# Altium PCB PortiloopV2Altium_PCB.PcbDoc (continued)
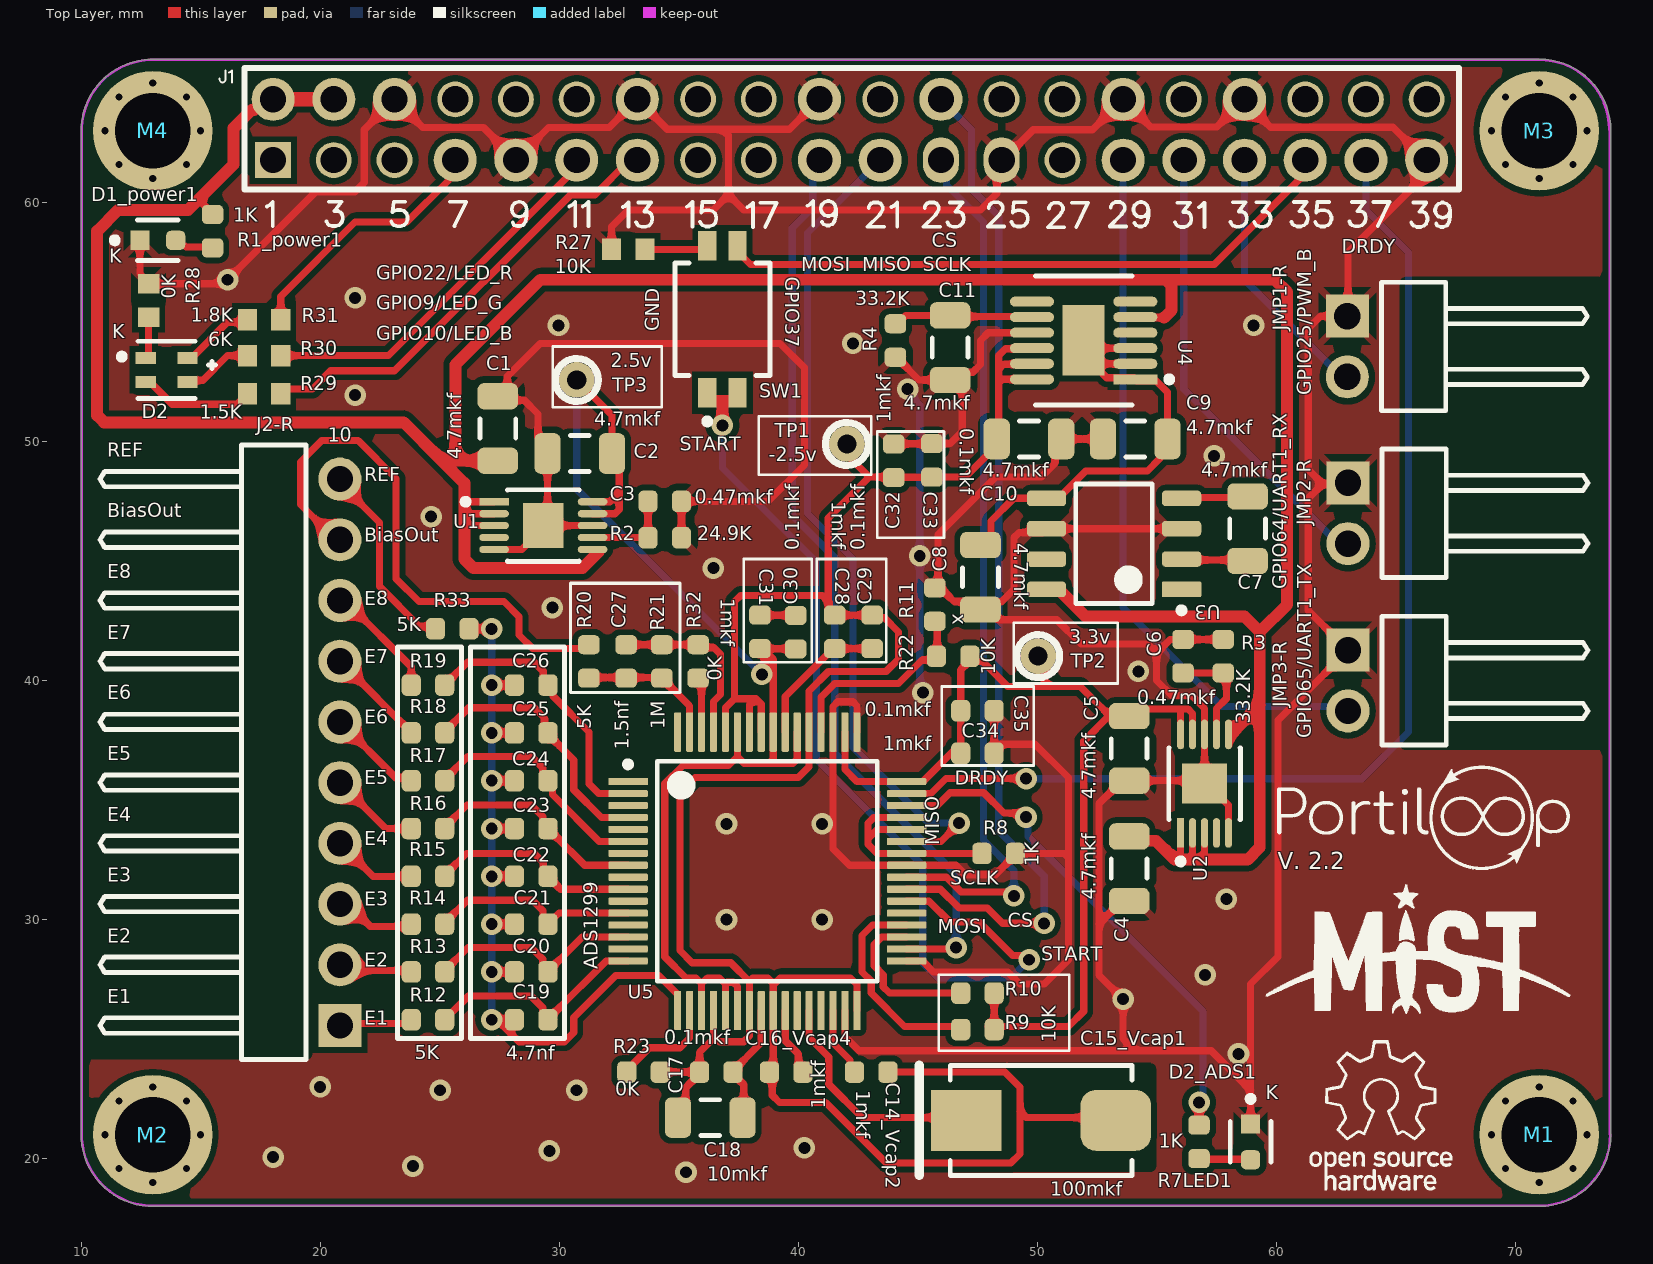
[diagram p0: Top Layer view]
## Part data (continued)
SW1: library part CMP-08827-000068-1, "SWITCH SLIDE DIP SPST 25MA 24V", Case/Package=DIP, Contact Current Rating=25mA, Contact Resistance=200mR, Max Operating Temperature=70°C, Max Voltage Rating (DC)=24V, Min Operating Temperature=-20°C, Package Quantity=75, Actuator Length=0mm, Actuator Type="Slide (Standard)", Current Rating=25mA, Electrical Life=1000Cycles, Height=1.55mm, Length=0.148inch, Max Current Rating=25mA, Mechanical Life=1000Cycles, Mount="Surface Mount", Number of Circuits=2, Number of Poles=8, Number of Positions=2, Orientation=Straight, Packaging=Rail/Tube, Pitch=0.05inch, RoHS Compliant=Yes, Series=A6H, Terminal Pitch=1.27mm, Termination="Gull Wing", Throw Configuration=SPST, Voltage Rating (DC)=24V, Washable=Yes, Weight=0.06g, Width=4.5mm
TP1 TP2 TP3: library part "Test Point", "Test Point"
U1 U2: library part CMP-09138-000246-1, "IC REG LIN POS ADJ 200MA 10MSOP", Case/Package=MSOP, Dropout Voltage=350mV, Max Input Voltage=20V, Max Operating Temperature=125°C, Max Output Voltage=15V, Min Current Limit=220mA, Min Input Voltage=1.8V, Min Operating Temperature=-40°C, Min Output Voltage=0V, Output Current=200mA, Mount="Surface Mount", Number of Pins=10, Number of Regulators=1, Output Type=Adjustable, Output Voltage=15V, Packaging=Rail/Tube, REACH SVHC="No SVHC", RoHS Compliant=Yes, Series=-
U3: library part CMP-0065-00025-3, "Switched Capacitor Voltage Converter, 8-pin Narrow SOIC, Pb-Free", Manufacturer="Texas Instruments", PackageTopMarking=NSZXTT*LM26*62M, PowerWise=N, Code_IPC=SOIC127P600-8, Code_JEDEC=MS-012-AA, ComponentLink1Description="Datasheet URL", ComponentLink1URL=http://www.ti.com/general/docs/lit/getliterature.tsp?genericPartNumber=LM2662&fileType=pdf, CompType="Switch Caps", PackageDescription="SOIC Narrow, 4.9 x 3.9 x 1.45mm, 8 Lead, 1.27mm Pitch", PackageReference=D0008A, PinCount=8, RoHS=Y
U4: library part CMP-09138-000085-1, "IC REG LIN NEG ADJ 500MA 12MSOP", RoHS Compliant=Yes
U5: library part CMP-0841-00002-2, "Low-Noise, 8-Channel, 24-Bit Analog Front-End for Biopotential Measurement, 16 KSPS, -40 to 85 degC, 64-Pin PQFP (PAG-64), RoHS, Tube", Manufacturer="Texas Instruments", Operating Temperature Range (C)="-40 to 85", PartNumber=ADS1299IPAG, # Input Channels=8, Architecture=Delta-Sigma, ComponentLink1Description="Manufacturer URL", ComponentLink1URL=http://www.ti.com/, ComponentLink2Description=Datasheet, ComponentLink2URL=http://www.ti.com/lit/ds/symlink/ads1299.pdf, ComponentLink3Description="Package Specification", ComponentLink3URL=http://www.ti.com/lit/ml/mtqf006a/mtqf006a.pdf, DatasheetVersion=SBAS499A, Interface="Serial SPI", Mounting Technology="Surface Mount", PackageDescription="64-Pin Plastic Quad Flatpack, Body 10 x 10 mm, Pitch 0.5 mm", PackageReference=PAG-64, PackageVersion=4040282/C, Packing=PAG0064A, Reference Mode="Int, Ext", Resolution (Bits)=24, RoHS=TRUE, Sample Rate (max) (KSPS)=16

## Via types
v1: diameter 0.9, hole 0.5, Top Layer to Bottom Layer, 49 vias

## Nets (pads, with @x,y where several pads share a name; then routed paths per layer and width w, separated by ;. In a path a pad name is that pad's centre, name@x,y a point inside that pad or via, vN(x,y) a via of type N, cw(c..) or ccw(c..) an arc to the next point about the centre after c; other vN are vias at no path point)
+2V5: C2.2 C30.2 C31.2 TP3.1 U1.9 U1.10 U5.19 U5.21 U5.22 U5.54 U5.56 U5.59 | length 54.5
  Top Layer w0.3: TP3.1@30.647,52.491 TP3.1 32.211,51.101 32.211,49.403 32.512,49.102 32.512,47.879 ; U1.9 32.336,46.982 32.512,47.158 32.512,47.879 ; U1.10 32.115,47.482 32.512,47.879 ; U5.19 35.957,27.321 ; U5.21 36.957,26.93 36.957,27.305 ; U5.22 37.457,27.205 37.281,27.381 37.033,27.381 36.957,27.305 ; U5.59 37.457,36.816 ; v1(38.481,40.259) 38.481,40.421 38.608,40.548 38.608,41.21 38.481,41.337 38.504,41.337 C31.2@38.509,41.332 ; C30.2@39.846,41.329 39.849,41.332 38.608,41.332 C31.2@38.509,41.332 ; U5.54 39.957,36.714 39.781,36.538 38.781,36.538 ; 35.957,27.321 35.719,27.559 35.306,27.559 34.417,28.448 34.417,35.687 35.179,36.449 37.09,36.449 37.457,36.816 ; 35.957,27.321 36.199,27.563 36.699,27.563 36.957,27.305 ; 37.457,36.816 37.735,36.538 38.781,36.538 ; C31.2@38.509,41.332 38.619,41.221 38.957,40.884 U5.56 38.957,36.714 38.781,36.538
  Bottom Layer w0.3: TP3.1 30.734,48.006 v1(38.481,40.259)
+3.3V: C5.2 C34.2 C35.2 R9.1 R10.1 R22.1 TP2.1 U2.9 U2.10 U5.48 U5.50 | length 43.5
  Top Layer w0.3: U5.50 41.957,36.275 42.461,35.771 U5.48 45.207,35.771 46.505,37.069 46.552,37.069 46.798,37.315 C35.2 46.798,40.448 46.963,40.613 46.963,40.752 R22.1@47.182,40.971 ; R22.1 47.409,40.794 47.725,40.794 48.768,39.751 50.546,39.751 ; R9.1@47.944,25.527 48.2,25.527 51.308,25.527 51.943,26.162 51.943,37.465 52.992,38.514 C5.2 54.151,38.817 56.308,38.817 56.5,38.625 U2.9 ; R9.1 R10.1 ; TP2.1 50.268,40.791 50.268,40.029 50.546,39.751 ; C5.2@53.04,38.514 51.803,39.751 50.546,39.751 ; U2.10 56,38.679
+5V: C1.2 C4.2 J1-B-.2 J1-B-.4 R1_power1.2 U1.1 U1.2 U1.3 U1.6 U2.1 U2.2 U2.3 U2.6 U3.8 U4.5 | length 142.3
  Top Layer w0.3: 14.097,59.69 14.224,59.69 ; 15.113,60.325 15.113,59.926 15.231,59.808 15.231,59.746 15.349,59.628 R1_power1.2@15.367,59.628 ; 15.367,60.579 15.43,60.642 ; J1-B-.2@17.957,64.389 J1-B-.2 ; 26.035,46.736 26.289,46.482 U1.3 ; 26.035,47.244 26.297,46.982 U1.2 ; 26.035,47.671 26.224,47.482 U1.1 ; U3.8 U3.8@50.888,43.815 ; C4.2 C4.2@54.103,33.481 ; U4.5 54.126,55.181 55.309,55.181 ; 55.753,32.512 56,32.759 U2.1 ; 56.294,32.489 56.294,32.512 56.294,32.545 56.5,32.751 U2.2 ; 56.723,32.512 57,32.789 U2.3 ; U2.6 U2.6@58.1,37.747
  Top Layer w0.5: 14.097,59.69 11.557,59.69 10.668,58.801 10.668,51.093 10.961,50.8 23.495,50.8 25.099,49.196 ; 14.224,59.69 14.478,59.69 15.113,60.325 15.367,60.579 ; 15.43,60.642 16.383,61.595 16.383,63.119 17.139,63.875 17.239,63.875 17.754,64.389 J1-B-.2@17.957,64.389 ; C1.2 25.654,49.196 ; U1.6@31.65,45.382 30.972,44.704 26.416,44.704 26.035,45.085 26.035,46.736 26.035,47.244 26.035,47.671 26.035,48.26 25.099,49.196 ; U3.8@50.888,43.815 52.031,42.672 58.674,42.672 59.309,42.037 ; C4.2@54.103,33.481 54.285,33.299 54.966,33.299 55.753,32.512 56.294,32.512 56.723,32.512 58.801,32.512 59.309,33.02 59.309,38.989 ; 55.309,55.181 55.626,55.498 55.626,56.515 55.372,56.769 ; U2.6@58.1,37.747 58.1,37.78 59.309,38.989 ; 25.099,49.196 25.654,49.196 ; 25.654,49.196 25.654,53.213 29.21,56.769 55.372,56.769 ; 55.372,56.769 59.944,56.769 60.452,56.261 60.452,43.18 59.309,42.037 ; 59.309,38.989 59.309,42.037
  Top Layer w0.6: J1-B-.2 J1-B-.4
-2V5: C10.2 C14_Vcap2.1 C15_Vcap1.2 C16_Vcap4.1 C17.2 C18.1 C28.1 C29.1 C32.2 C33.2 R23.2 TP1.1 U4.10 U4.11 U4.12 U5.20 U5.23 U5.25 U5.32 U5.53 U5.57 U5.58 U5.60 | length 110
  Top Layer w0.3: R23.2 C17.2 ; C18.1 35.295,22.04 35.295,22.964 35.876,23.545 C17.2 ; U5.20 36.457,25.138 ; U5.60 36.957,38.862 37.338,39.243 ; U5.58 37.957,39.005 37.989,39.005 38.227,39.243 ; U5.57 38.457,39.013 38.227,39.243 ; TP1.1@42.037,49.53 42.291,49.276 42.21,49.276 42.972,48.514 ; U5.32 42.457,27.289 42.187,27.559 39.243,27.559 39.021,27.337 38.957,27.337 ; C14_Vcap2.1 48.641,23.622 49.276,22.987 49.276,21.971 ; U4.12 48.54,52.604 48.387,52.451 ; U4.11 49.758,53.229 48.594,53.229 48.387,53.023 ; U4.10 49.758,53.879 48.672,53.879 48.387,53.594 48.387,53.023 ; C15_Vcap1.2@53.29,21.717 49.53,21.717 49.276,21.971 ; C17.2 35.876,24.446 36.457,25.027 36.457,25.138 ; 36.457,25.138 36.703,24.892 37.719,24.892 37.957,25.13 U5.23 37.957,27.416 ; 37.338,39.243 37.338,43.307 37.592,43.561 41.021,43.561 41.26,43.322 ; 37.338,39.243 38.227,39.243 ; 37.957,27.416 38.1,27.559 38.735,27.559 38.957,27.337 ; 37.957,27.416 37.179,28.194 35.56,28.194 35.052,28.702 35.052,35.306 35.687,35.941 40.005,35.941 40.457,36.393 U5.53 40.457,39.568 41.275,40.386 43.688,40.386 44.196,40.894 44.196,42.037 43.596,42.637 43.026,42.637 42.926,42.737 C28.1 ; 38.957,27.337 U5.25 38.957,23.782 C16_Vcap4.1 38.913,23.506 38.913,22.655 39.215,22.352 41.148,22.352 43.688,19.812 48.895,19.812 49.276,20.193 49.276,21.971 ; 41.26,43.322 41.26,42.983 41.506,42.737 C28.1 ; 41.26,43.322 41.26,46.802 42.972,48.514 ; 41.26,43.322 41.302,43.28 41.302,42.964 C28.1 ; 42.972,48.514 44.159,48.514 44.178,48.495 44.188,48.504 45.583,48.504 C33.2 46.99,48.514 48.306,49.83 C10.2 48.387,50.19 48.387,52.451 ; 48.387,52.451 48.387,53.023
-5V: C8.2 C9.2 U3.5 U4.1 U4.2 U4.3 U4.13 | length 22.9
  Top Layer w0.3: C8.2 47.68,45.673 48.07,46.063 48.07,46.673 49.022,47.625 U3.5 50.888,47.625 52.031,48.768 54.61,48.768 55.128,49.286 55.128,49.786 C9.2 55.451,52.063 54.97,52.544 54.163,52.544 54.038,52.669 52.906,52.669 U4.13@52.482,53.093 ; U4.13@52.67,52.905 U4.13@52.482,53.093 ; U4.2 52.67,53.254 U4.13@52.482,53.442 ; U4.3 U4.13@52.268,53.904 ; U4.13@51.943,53.981 U4.13@52.482,53.442 ; U4.13@51.943,53.981 U4.13 U4.13@52.268,53.904 ; U4.13@51.943,53.981 51.943,53.632 U4.13@52.482,53.093 ; U4.13@52.268,53.904 52.268,53.656 U4.13@52.482,53.442 ; U4.13@52.482,53.093 U4.13@52.482,53.442
BiasOut: J2-R.9 R20.1 | length 23.1
  Top Layer w0.3: J2-R.9@20.828,45.72 19.177,47.371 19.177,49.149 20.066,50.038 21.59,50.038 23.179,48.449 23.179,44.258 24.13,43.307 27.686,43.307 28.321,42.672 28.321,41.91 28.891,41.34 R20.1@31.242,41.34
CS: J1-B-.24 U5.39 | length 42.6
  Top Layer w0.3: U5.39 45.945,31.271 46.736,30.48 47.911,30.48 48.546,29.845 v1(50.292,29.845)
  Bottom Layer w0.3: J1-B-.24 47.244,63.042 47.244,60.579 48.387,59.436 48.387,33.719 50.292,31.814 v1(50.292,29.845)
DRDY: J1-B-.37 U5.47 | length 46.7
  Top Layer w0.3: U5.47 45.558,35.271 46.188,35.901 v1(49.536,35.901)
  Bottom Layer w0.3: v1(49.536,35.901) 49.548,35.889 63.575,35.889 65.532,37.846 65.532,57.912 63.752,59.692 J1-B-.37
E1: J2-R.1 R12.1 | length 3.2
  Top Layer w0.3: J2-R.1@20.828,25.4 21.082,25.654 23.655,25.654 R12.1
E2: J2-R.2 R13.1 | length 3
  Top Layer w0.3: J2-R.2@20.828,27.94 20.893,27.875 23.746,27.875 R13.1
E3: J2-R.3 R14.1 | length 3.3
  Top Layer w0.3: J2-R.3@20.828,30.48 21.336,30.48 22.098,29.718 23.719,29.718 R14.1
E4: J2-R.4 R15.1 | length 3.6
  Top Layer w0.3: J2-R.4 22.208,31.81 R15.1
E5: J2-R.5 R16.1 | length 3.8
  Top Layer w0.3: J2-R.5 22.748,33.81 R16.1
E6: J2-R.6 R17.1 | length 4
  Top Layer w0.3: J2-R.6 23.165,35.933 23.688,35.933 R17.1
E7: J2-R.7 R18.1 | length 4.2
  Top Layer w0.3: J2-R.7@20.828,40.64 21.004,40.64 23.811,37.833 R18.1
E8: J2-R.8 R19.1 | length 4.8
  Top Layer w0.3: J2-R.8@20.828,43.18 21.209,43.18 23.811,40.578 R19.1
GND: C1.1 C2.1 C3.1 C4.1 C5.1 C6.2 C8.1 C9.1 C10.1 C11.1 C32.1 C33.1 C34.1 C35.1 D1_power1.1 D2_ADS1.1 J1-B-.6 J1-B-.9 J1-B-.14 J1-B-.20 J1-B-.25 J1-B-.30 J1-B-.34 J1-B-.39 JMP1-R.1 JMP2-R.1 JMP3-R.1 R2.2 R3.2 R4.2 R8.2 R11.1 R27.1 R28.1 U1.5 U1.8 U1.11 U2.5 U2.8 U2.11 U3.3 U3.6 U4.9 U5.31 U5.33 U5.41 U5.49 U5.51 | length 310.5
  Top Layer w0.3: D1_power1.1 12.458,57.026 12.522,56.962 12.522,56.85 12.772,56.6 15.96,56.6 19.812,60.452 21.463,60.452 21.844,60.833 21.844,63.047 J1-B-.6 24.282,63.145 26.822,63.145 J1-B-.9 29.554,63.138 32.094,63.138 J1-B-.14 34.521,63.065 36.83,63.065 ; U1.5 28.437,45.482 29.337,46.382 U1.11 ; C1.1 C1.1@27.438,51.896 ; U1.8 U1.11 ; R27.1 32.193,58.99 32.893,59.69 36.449,59.69 37.084,60.325 ; R2.2 C3.1 38.735,47.498 40.259,49.022 40.259,53.086 39.243,54.102 29.21,54.102 27.828,52.72 27.828,52.286 C1.1@27.438,51.896 ; J1-B-.20 39.642,63.065 36.83,63.065 ; U5.31 41.957,25.099 42.545,24.511 54.102,24.511 ; U5.49 42.457,38.94 42.281,39.116 41.656,39.116 41.457,38.917 U5.51 41.457,32.965 42.151,32.271 U5.41 46.596,32.271 46.99,31.877 48.248,31.877 R8.2@49.087,32.716 ; R4.2 44.104,53.529 45.055,52.578 C11.1 C11.1@46.093,52.84 ; C32.1@44.178,49.895 44.188,49.904 45.583,49.904 C33.1 46.358,49.914 46.862,50.418 C11.1@46.862,52.188 ; U5.33 45.207,28.271 45.665,27.813 48.768,27.813 49.276,27.305 50.292,27.305 51.308,28.321 51.308,32.59 ; C11.1@46.862,52.696 46.862,52.718 47.045,52.901 47.299,52.901 47.625,53.227 47.625,54.229 47.95,54.554 U4.9 ; C8.1@47.505,42.853 47.05,43.307 46.517,43.307 46.071,43.753 45.847,43.753 45.847,46.101 48.26,48.514 50.165,48.514 50.745,49.094 50.745,49.848 C10.1 C9.1 ; C8.1 C8.1@47.993,42.973 ; C35.1 48.198,37.338 49.53,37.338 49.911,37.338 51.308,35.941 51.308,32.59 ; R8.2 51.132,32.766 51.308,32.59 ; C4.1 53.548,30.781 52.578,29.811 ; U3.3 U3.6 50.221,46.188 49.236,46.188 49.022,45.974 49.022,43.815 48.503,43.296 48.315,43.296 C8.1@47.993,42.973 ; U2.11@56.869,35.687 56.769,35.687 56.642,35.814 C5.1 53.548,35.814 52.578,34.844 52.578,29.811 ; R3.2 C6.2 55.564,41.721 54.991,41.148 ; U2.5 58,34.787 57.1,35.687 U2.11 U2.8 57,38.832 56.462,39.37 55.626,39.37 54.991,40.005 54.991,41.148 ; D2_ADS1.1 58.928,22.86 ; JMP2-R.1 62.955,48.225 61.941,48.225 ; C1.1@27.438,51.896 27.607,51.726 28.538,51.726 29.111,51.153 29.111,50.171 29.511,49.771 29.511,46.656 U1.11 ; 36.83,63.065 37.084,62.811 37.084,60.325 ; 37.084,60.325 37.719,59.69 47.625,59.69 48.31,60.375 48.31,61.573 J1-B-.25 48.567,61.775 49.833,63.041 52.318,63.041 J1-B-.30 54.75,63.156 57.513,63.156 J1-B-.34 58.672,64.235 59.761,63.145 64.888,63.145 66.258,61.775 J1-B-.39 66.004,61.488 66.004,60.924 63,57.92 63,55.27 JMP1-R.1 61.849,55.245 61.341,54.737 61.341,48.824 61.941,48.225 ; C8.1@47.993,42.973 48.086,42.879 48.421,42.545 50.816,42.545 51.832,41.529 54.61,41.529 54.991,41.148 ; 52.578,29.811 52.578,27.686 v1(53.594,26.67) 53.594,25.019 54.102,24.511 ; 54.102,24.511 57.277,24.511 58.928,22.86 ; 58.928,22.86 58.928,27.305 60.071,28.448 60.071,38.341 JMP3-R.1 61.341,42.929 61.341,47.625 61.941,48.225
  Bottom Layer w0.3: v1(44.577,52.197) 44.577,52.035 45.085,51.527 v1(45.085,45.212) 45.085,39.624 v1(45.212,39.497)
  other v1: 35.306,19.431 23.876,19.685 18.034,20.066 29.591,20.32 40.259,20.447 25.019,22.86 30.734,22.86 20,23 58.42,24.384 57.023,27.686 37,30 41,30 57.912,30.861 37,34 41,34 54.229,40.386 29.718,43.053 36.449,44.704 24.638,46.863 57.404,49.403 21.463,51.943 42.291,54.102 29.972,54.864 59.055,54.864 21.463,56.007 16.129,56.769
GPIO9/LED_G: J1-B-.11 R30.2 | length 15.9
  Top Layer w0.3: R30.2 22.86,53.594 30.732,61.466 J1-B-.11
GPIO10/LED_B: J1-B-.13 R29.2 | length 18.9
  Top Layer w0.3: R29.2@18.353,52.197 19.685,52.197 20.447,52.959 23.114,52.959 30.48,60.325 31.496,60.325 32.946,61.775 J1-B-.13
GPIO22/LED_R: J1-B-.7 R31.2 | length 11.1
  Top Layer w0.3: R31.2@18.353,54.991 18.353,56.072 21.463,59.182 23.622,59.182 25.364,60.924 25.364,61.488 J1-B-.7
GPIO25/PWM_B: J1-B-.33 JMP1-R.2 | length 11
  Bottom Layer w0.3: J1-B-.33 58.672,56.771 62.713,52.73 JMP1-R.2@63,52.73
GPIO37: J1-B-.35 SW1.3 | length 26.4
  Top Layer w0.3: SW1.3 37.465,57.948 38.009,57.404 48.768,57.404 48.771,57.407 49.019,57.407 49.022,57.404 57.404,57.404 60.982,60.982 60.982,61.545 J1-B-.35
GPIO64/UART1_RX: J1-B-.31 JMP2-R.2 | length 19.1
  Bottom Layer w0.3: J1-B-.31 56.132,52.199 62.227,46.104 62.283,46.104 62.656,45.73 JMP2-R.2
GPIO65/UART1_TX: J1-B-.29 JMP3-R.2 | length 29.9
  Bottom Layer w0.3: J1-B-.29 53.592,43.055 57.726,38.921 62.809,38.921 JMP3-R.2
MISO: J1-B-.21 U5.43 | length 34.9
  Top Layer w0.3: U5.43 45.971,33.271 v1(46.736,34.036)
  Bottom Layer w0.3: J1-B-.21 40.386,58.729 40.386,46.99 42.291,45.085 42.291,37.211 45.466,34.036 v1(46.736,34.036)
MOSI: J1-B-.19 U5.34 | length 38.4
  Top Layer w0.3: U5.34 46.551,28.771 v1(46.609,28.829)
  Bottom Layer w0.3: J1-B-.19 40.609,61.493 40.609,59.786 39.751,58.928 39.751,46.918 41.529,45.14 41.529,36.957 46.609,31.877 v1(46.609,28.829)
NetC3_2: C3.2 R2.1 U1.7 | length 3.8
  Top Layer w0.3: U1.7 33.709,45.982 R2.1 C3.2
NetC6_1: C6.1 R3.1 U2.7 | length 4.5
  Top Layer w0.3: C6.1 R3.1 57.912,40.194 57.912,39.243 57.5,38.831 U2.7
NetC7_1: C7.1 U3.4 | length 3.8
  Top Layer w0.3: U3.4 56.078,47.665 58.761,47.665 C7.1 ; C7.1@58.568,47.472 58.42,47.324 C7.1@59.182,47.324
NetC7_2: C7.2 U3.2 | length 2.8
  Top Layer w0.3: U3.2 56.078,45.045 58.761,45.045 C7.2
NetC11_2: C11.2 R4.1 U4.8 | length 5.5
  Top Layer w0.3: R4.1 44.146,54.929 44.495,55.278 C11.2 ; C11.2@46.862,55.396 47.031,55.227 49.76,55.227 U4.8 U4.8@49.76,55.181
NetC14_Vcap2_2: C14_Vcap2.2 U5.30 | length 2.9
  Top Layer w0.3: U5.30 41.457,24.837 42.164,24.13 42.164,23.811 C14_Vcap2.2
NetC15_Vcap1_1: C15_Vcap1.1 U5.28 | length 9.8
  Top Layer w0.3: U5.28 40.457,25.075 41.275,24.257 41.275,23.114 42.672,21.717 C15_Vcap1.1@47.04,21.717
NetC16_Vcap4_2: C16_Vcap4.2 U5.26 | length 2.9
  Top Layer w0.3: U5.26 39.457,24.932 40.005,24.384 40.005,23.814 C16_Vcap4.2
NetC17_1: C17.1 C18.2 U5.24 | length 5.2
  Top Layer w0.3: C18.2 37.719,21.764 37.719,23.102 37.276,23.545 C17.1 37.276,23.672 38.457,24.853 U5.24
NetC19_1: C19.1 C20.1 C21.1 C22.1 C23.1 C24.1 C25.1 C26.1 R33.2 U5.17 | length 35.4
  Top Layer w0.3: R33.2 v1(27.178,42.164) ; v1(27.18,25.81) C19.1 ; v1(27.18,27.81) C20.1 ; v1(27.18,29.81) C21.1 ; v1(27.18,31.811) C22.1 ; v1(27.18,33.81) C23.1 ; v1(27.18,35.81) C24.1 ; v1(27.18,37.81) C25.1 ; v1@27.403,25.81 28.321,24.892 30.226,24.892 30.607,25.273 30.607,25.908 32.364,27.665 34.163,27.665 34.957,26.871 U5.17 ; C26.1 28.128,39.811 v1(27.18,39.812) ; v1(27.18,39.812) v1(27.18,39.812)
  Bottom Layer w0.3: v1(27.178,42.164) v1(27.178,42.164) 27.179,39.813 v1(27.18,39.812) v1(27.18,37.81) v1(27.18,35.81) v1(27.18,33.81) v1(27.18,31.811) v1(27.18,29.81) v1(27.18,27.81) v1(27.18,25.81)
NetC19_2: C19.2 R12.2 U5.16 | length 9.7
  Top Layer w0.3: R12.2 25.211,25.833 25.457,26.079 25.48,26.079 26.198,26.797 28.829,26.797 29.31,26.316 29.31,26.029 C19.2 ; C19.2@29.529,25.833 29.806,26.11 31.967,28.271 U5.16
NetC20_2: C20.2 R13.2 U5.14 | length 9.3
  Top Layer w0.3: R13.2 25.211,27.86 26.18,28.829 28.829,28.829 29.31,28.348 29.31,28.052 29.529,27.833 30.967,29.271 U5.14
NetC21_2: C21.2 R14.2 U5.12 | length 8.9
  Top Layer w0.3: R14.2 25.211,29.86 26.162,30.811 28.879,30.811 29.32,30.37 29.32,30.019 C21.2 ; C21.2@29.529,29.833 29.806,30.11 29.829,30.11 29.99,30.271 U5.12
NetC22_2: C22.2 R15.2 U5.10 | length 8.9
  Top Layer w0.3: R15.2 25.211,31.86 26.117,32.766 28.956,32.766 29.336,32.386 29.336,32.003 C22.2 ; C22.2@29.518,31.799 29.806,31.51 29.829,31.51 30.068,31.271 U5.10
NetC23_2: C23.2 R16.2 U5.8 | length 9.3
  Top Layer w0.3: R16.2 25.211,33.86 26.149,34.798 28.829,34.798 29.31,34.317 29.31,34.029 C23.2 ; C23.2@29.529,33.787 29.806,33.51 29.829,33.51 31.068,32.271 U5.8
NetC24_2: C24.2 R17.2 U5.6 | length 10
  Top Layer w0.3: R17.2 25.211,35.86 26.181,36.83 28.829,36.83 29.31,36.349 29.31,36.029 29.717,35.622 29.717,35.229 31.675,33.271 U5.6
NetC25_2: C25.2 R18.2 U5.4 | length 11.1
  Top Layer w0.3: R18.2 25.211,37.86 26.213,38.862 28.956,38.862 29.384,38.434 29.384,37.955 C25.2 ; C25.2@29.504,37.785 30.607,36.682 30.607,35.433 31.769,34.271 U5.4
NetC26_2: C26.2 R19.2 U5.2 | length 12
  Top Layer w0.3: R19.2 25.211,39.833 25.457,40.079 25.48,40.079 26.168,40.767 28.956,40.767 29.336,40.387 29.336,40.003 29.748,39.591 29.748,39.34 31.242,37.846 31.242,35.687 31.658,35.271 U5.2
NetC27_1: C27.1 R21.2 R32.2 U5.61 | length 7.5
  Top Layer w0.3: C27.1 R21.2 R32.2 35.93,41.384 36.467,41.384 36.747,41.104 36.747,39.414 36.457,39.124 U5.61
NetC27_2: C27.2 R20.2 R21.1 U5.63 | length 5.9
  Top Layer w0.3: R20.2@31.242,39.94 31.434,40.132 32.447,40.132 32.639,39.94 32.831,40.132 33.844,40.132 R21.1@34.036,39.94 ; R21.1 34.323,40.1 34.6,39.823 34.6,39.8 35.457,38.943 U5.63
NetC28_2: C28.2 C29.2 U5.55 | length 6
  Top Layer w0.3: U5.55 39.457,39.33 C28.2@41.497,41.37 ; C28.2@41.506,41.337 C28.2 C29.2
NetC30_1: C30.1 C31.1 | length 1.4
  Top Layer w0.3: C31.1@38.481,42.737 38.486,42.732 39.849,42.732 C30.1@39.854,42.727
NetD1_power1_2: D1_power1.2 R1_power1.1 | length 1.4
  Top Layer w0.3: D1_power1.2 14.177,58.201 14.322,58.201 14.384,58.14 R1_power1.1@15.278,58.14
NetD2_1: D2.1 R28.2 | length 1.8
  Top Layer w0.3: D2.1 12.722,53.5 12.822,53.6 R28.2
NetD2_2: D2.2 R31.1 | length 3.1
  Top Layer w0.3: D2.2 14.625,53.5 16.116,54.991 R31.1@16.953,54.991
NetD2_3: D2.3 R30.1 | length 3
  Top Layer w0.3: D2.3 14.513,52.563 15.098,52.563 16.129,53.594 R30.1
NetD2_4: D2.4 R29.1 | length 4.9
  Top Layer w0.3: D2.4 12.875,52.5 13.813,51.562 16.515,51.562 16.653,51.7 16.703,51.7 16.953,51.95 R29.1
NetD2_ADS1_2: D2_ADS1.2 R7LED1.2 | length 2.2
  Top Layer w0.3: R7LED1.2 56.794,19.976 58.903,19.976 D2_ADS1.2
NetR7LED1_1: R7LED1.1 U5.46 | length 21.7
  Top Layer w0.3: U5.46 45.82,34.771 46.355,35.306 47.762,35.306 48.606,34.462 49.358,34.462 v1(49.53,34.29) ; R7LED1.1 v1(56.769,22.352)
  Bottom Layer w0.3: v1(49.53,34.29) 49.609,34.211 49.609,33.484 56.931,26.162 56.931,22.514 v1(56.769,22.352)
NetR8_1: R8.1 U5.42 U5.44 U5.45 | length 9.3
  Top Layer w0.3: U5.44 43.296,33.771 42.926,33.401 ; U5.45 43.161,34.271 42.926,34.036 42.926,33.401 ; R8.1 47.682,32.771 U5.42 43.307,32.771 43.302,32.771 42.926,33.147 42.926,33.401
NetR9_2: R9.2 U5.36 | length 8.7
  Top Layer w0.3: U5.36 43.106,29.771 42.672,29.337 42.672,27.813 43.053,27.432 43.053,26.924 44.45,25.527 R9.2@46.544,25.527
NetR10_2: R10.2 U5.35 | length 6.5
  Top Layer w0.3: U5.35 43.495,29.271 43.18,28.956 43.18,28.067 43.561,27.686 43.561,27.178 43.815,26.924 R10.2@46.544,26.924
NetR11_2: R11.2 R22.2 U5.52 | length 8.3
  Top Layer w0.3: U5.52 40.957,39.306 41.529,39.878 44.196,39.878 45.176,40.858 45.619,40.858 R22.2 ; R22.2@45.815,41.053 45.815,41.431 R11.2@45.815,42.32
NetR23_1: R23.1 U5.18 | length 4.4
  Top Layer w0.3: R23.1 32.828,23.699 33.767,24.638 35.052,24.638 35.457,25.043 U5.18
NetR27_2: R27.2 SW1.4 | length 2.7
  Top Layer w0.3: R27.2 36.041,58.039 SW1.4
NetR32_1: R32.1 U5.62 | length 2.3
  Top Layer w0.3: R32.1 35.957,39.957 U5.62
Ref: J2-R.10 R33.1 | length 8.1
  Top Layer w0.3: J2-R.10@20.828,48.26 22.479,46.609 22.479,43.942 24.157,42.264 24.727,42.264 R33.1
SCLK: J1-B-.23 U5.40 | length 36.9
  Top Layer w0.3: U5.40 46.207,31.771 46.818,31.16 48.85,31.16 v1(49.022,30.988)
  Bottom Layer w0.3: J1-B-.23 46.201,61.545 46.201,60.733 47.752,59.182 47.752,33.326 49.022,32.056 v1(49.022,30.988)
START: SW1.1 SW1.2 U5.38 | length 39.8
  Top Layer w0.3: SW1.1 36.195,51.919 SW1.1@36.425,51.689 ; SW1.2@37.235,51.689 37.465,51.919 SW1.2 ; U5.38 45.473,30.771 46.338,29.906 47.564,29.906 48.977,28.493 49.485,28.493 v1(49.657,28.321)
  Top Layer w0.5: SW1.1@36.425,51.689 36.83,51.689 ; v1(36.83,50.673) 36.83,51.689 ; SW1.2@37.235,51.689 36.83,51.689
  Bottom Layer w0.3: v1(36.83,50.673) 36.83,48.895 40.767,44.958 40.767,36.703 45.212,32.258 45.212,28.194 45.847,27.559 48.895,27.559 v1(49.657,28.321)
pads on no net: J1-B-.1 J1-B-.3 J1-B-.5 J1-B-.8 J1-B-.10 J1-B-.12 J1-B-.15 J1-B-.16 J1-B-.17 J1-B-.18 J1-B-.22 J1-B-.26 J1-B-.27 J1-B-.28 J1-B-.32 J1-B-.36 J1-B-.38 J1-B-.40 M1.S M2.S M3.S M4.S U1.4 U2.4 U3.1 U3.7 U4.4 U4.6 U4.7 U5.1 U5.3 U5.5 U5.7 U5.9 U5.11 U5.13 U5.15 U5.27 U5.29 U5.37 U5.64

## Polygon pours and split planes (outlines as drawn)
GND on Bottom Layer "GND_L02_P012" (solid, remove dead copper, pour order 12): 12.827,18.034 71.247,18.034 73.914,20.701 73.914,63.246 71.247,65.913 12.7,65.913 10.033,63.246 10.033,20.955 10.16,20.828
GND on Top Layer "GND_L01_P014" (solid, remove dead copper, pour order 14): 12.827,18.034 71.247,18.034 73.914,20.701 73.914,63.246 71.247,65.913 12.7,65.913 10.033,63.246 10.033,20.955 10.16,20.828

## Keep-outs
Keep-Out Layer:
  lines w0.1: 10.031,63.119 cw(c13,63) 12.816,65.965 ; 10.033,20.828 10.033,63.119 ; 10.034,20.828 ccw(c13,21) 12.827,18.034 71.12,18.034 ; 12.816,65.965 70.994,65.965 ; 70.991,65.971 70.994,65.971 cw(c71.003,63.044) 73.93,63.044 ; 71.12,18.031 ccw(c71,21) 73.971,21.024 ; 73.95,21.024 73.95,63.044

## Silkscreen, mask and mechanical layers (free items; w line width, h text height)
Top Overlay:
  drawing of 469 lines, arcs and shapes, not listed
  text "CS" at 45.593,57.924 h1
  text "DRDY" at 62.738,57.658 h1
  text "K" at 11.176,57.277 h1
  text "GPIO37" at 39.255,56.896 h1 r270
  text "MOSI" at 40.132,56.908 h1
  text "MISO" at 42.672,56.908 h1
  text "SCLK" at 45.212,56.908 h1
  text "GPIO22/LED_R" at 22.352,56.565 h1
  text "GPIO9/LED_G" at 22.352,55.295 h1
  text "GND" at 34.405,54.61 h1 r90
  text "K" at 11.303,54.102 h1
  text "GPIO10/LED_B" at 22.352,54.025 h1
  text "GPIO25/PWM_B" at 61.672,51.943 h1 r90
  text "START" at 35.052,49.415 h1
  text "REF" at 11.1,49.149 h1
  text "REF" at 21.844,48.133 h1
  text "BiasOut" at 11.1,46.621 h1
  text "BiasOut" at 21.844,45.605 h1
  text "E8" at 11.1,44.081 h1
  text "GPIO64/UART1_RX" at 60.656,43.815 h1 r90
  text "E8" at 21.844,42.938 h1
  text "E7" at 11.1,41.529 h1
  text "E7" at 21.844,40.513 h1
  text "E6" at 11.1,39.001 h1
  text "E6" at 21.844,37.985 h1
  text "GPIO65/UART1_TX" at 61.672,37.592 h1 r90
  text "E5" at 11.1,36.461 h1
  text "E5" at 21.844,35.445 h1
  text "DRDY" at 46.553,35.441 h1
  text "E4" at 11.1,33.909 h1
  text "MISO" at 46.103,33.12 h1 r90
  text "E4" at 21.844,32.893 h1
  text "V. 2.2" at 60.071,31.877 h1.2
  text "E3" at 11.1,31.381 h1
  text "SCLK" at 46.355,31.254 h1
  text "E3" at 21.844,30.365 h1
  text "CS" at 48.768,29.476 h1
  text "MOSI" at 45.847,29.222 h1
  text "E2" at 11.1,28.829 h1
  text "START" at 50.165,28.079 h1
  text "E2" at 21.844,27.813 h1
  text "E1" at 11.1,26.289 h1
  text "E1" at 21.844,25.4 h1
  text "K" at 59.569,22.273 h1
Polygon mask:
  region: 31.369,48.529 31.369,50.292 30.345,50.292 30.345,48.529
  rectangle: 52.974,36.703 54.737,37.592
  rectangle: 46.736,19.685 54.737,23.749
  rectangle: 53.086,31.623 54.737,32.647
  region: 54.483,49.276 54.483,50.998 53.585,50.998 53.585,49.276
  region: 50.164,49.276 50.164,50.998 49.14,50.998 49.14,49.276
  rectangle: 26.558,50.038 28.321,51.062
  rectangle: 65.405,37.338 73.533,56.642
  rectangle: 57.912,45.847 59.675,46.871
  rectangle: 12.333,52.197 14.605,53.721
  rectangle: 45.593,53.467 47.117,54.435
  region: 36.83,20.843 36.83,22.606 35.806,22.606 35.806,20.843
  rectangle: 46.878,43.815 48.26,44.839
  region: 10.414,49.657 18.542,49.657 18.542,46.736 19.431,45.847 19.431,24.384 10.414,24.384

## Text inside footprints (layer, text, board x,y; h text height)
J2-R: Top Overlay "10" at 20.32,49.784 h1